# Altium PCB PCB.PcbDoc (continued)
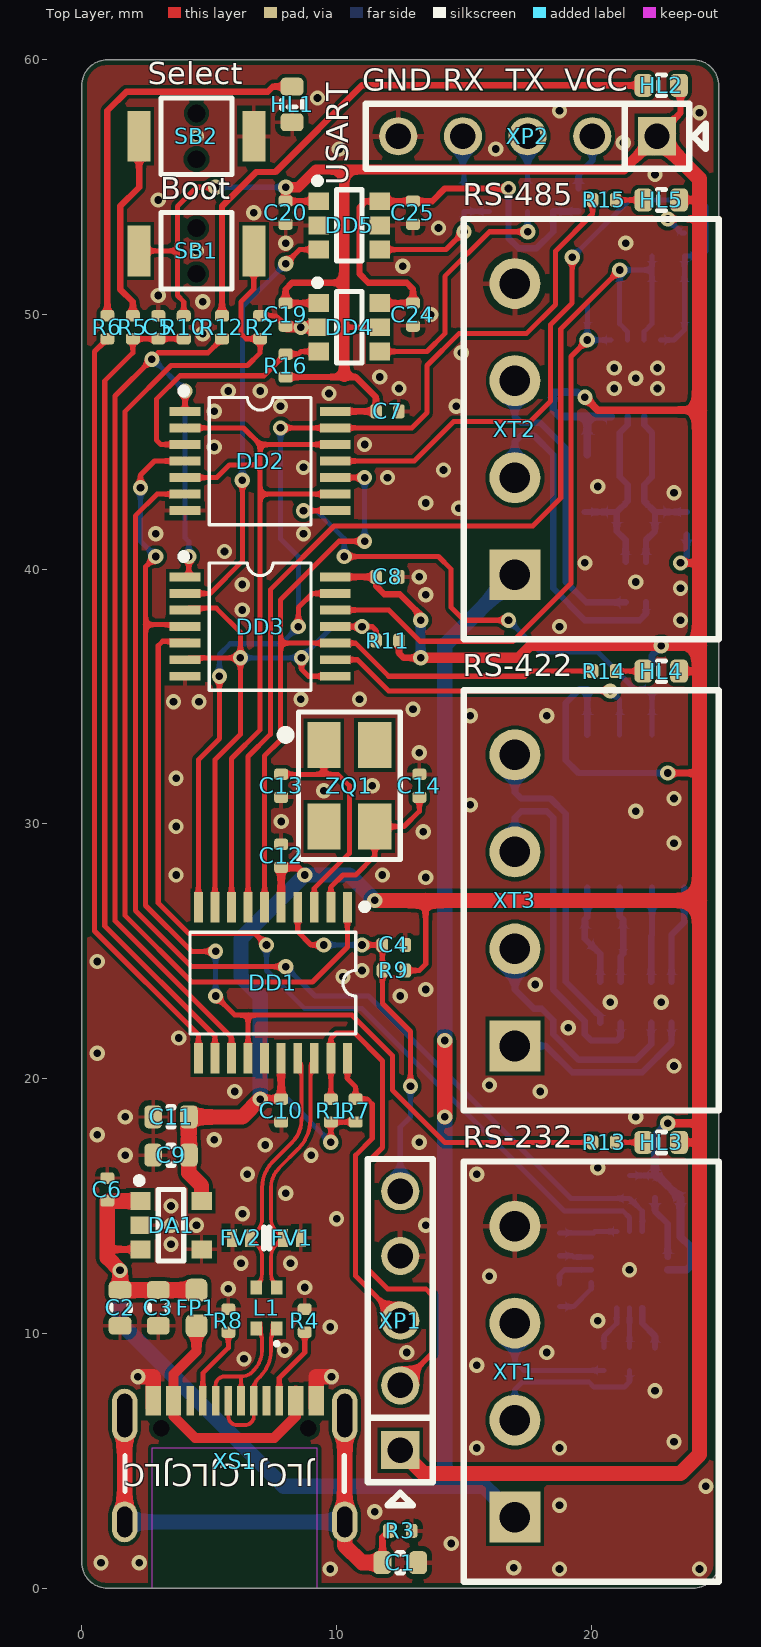
[diagram p0: Top Layer view]
## Footprints (in the part's own frame and the unit in brackets; to place one, negate y for a bottom-side part, rotate by r counter-clockwise, add the part's x,y. Pads: shape width x height; smd on the part's side, far side on the other; paste and mask are expansions set on the pad) (continued)
  silkscreen extent -0.4,0.9 0.4,0.9, body extent -0.3,-0.5 0.3,0.5, height 0.5

## Part data
C1: library part GRM188R72A104KA35D, Dielectric Type=X7R, LCSC Part=C113803, Manufacturer=Murata, Schematic Value="0.1uF, 100V", Tolerance=±10%, Voltage=100V, Working Temperature Max=+125°С, Working Temperature Min=-55°С, Application Category=1, Functional Analog=GRM188R72A104KA35J, ID=232, Part Number=GRM188R72A104KA35D, Published=18.05.2010, Publisher="Andrew Danich", Type=Конденсатор
C2 C3 C9 C11: library part GRM188R61A226ME15D, Dielectric Type=X5R, Manufacturer=Murata, Schematic Value="22uF, 10V", Tolerance=±20%, Voltage=10V, Working Temperature Max=+85°С, Working Temperature Min=-55°С, Application Category=1, Functional Analog=GRM188R61A226ME15J, ID=256, Part Number=GRM188R61A226ME15D, Published=18.05.2010, Publisher="Andrew Danich", Type=Конденсатор
C4 C5 C15 C16 C17 C18 C19 C20 C24 C25: library part GCM155R71C104KA55D, Dielectric Type=X7R, Manufacturer=Murata, Schematic Value="0.1uF, 16V", Tolerance=±10%, Voltage=16V, Working Temperature Max=+125°С, Working Temperature Min=-55°С, Application Category=1, Functional Analog="GRM155R71C104KA88D, GCM155R71C104KA55J, GCM155R71C104KA55W", ID=163, Part Number=GCM155R71C104KA55D, Published=18.05.2010, Publisher="Andrew Danich", Type=Конденсатор
C6: library part GRM155R61A475MEAAD, Dielectric Type=X5R, Manufacturer=Murata, Schematic Value="4.7uF, 10V", Tolerance=±20%, Voltage=10V, Working Temperature Max=+85°С, Working Temperature Min=-55°С, Application Category=1, Functional Analog=GRM155R61A475MEAAJ, ID=255, Part Number=GRM155R61A475MEAAD, Published=18.05.2010, Publisher="Andrew Danich", Type=Конденсатор
C7 C8 C10 C12 C21 C22 C23 C26: library part GRM155C71A105KE11D, Dielectric Type=X7S, Manufacturer=Murata, Schematic Value="1uF, 10V", Tolerance=±10%, Voltage=10V, Working Temperature Max=+125°С, Working Temperature Min=-55°С, Application Category=1, Functional Analog=GRM155C71A105KE11J, ID=179, Part Number=GRM155C71A105KE11D, Published=18.05.2010, Publisher="Andrew Danich", Type=Конденсатор
C13 C14: library part GRM1555C1H120JA01D, Dielectric Type=NP0, Manufacturer=Murata, Schematic Value="12pF, 50V", Tolerance=±5%, Voltage=50V, Working Temperature Max=+125°С, Working Temperature Min=-55°С, Application Category=1, Functional Analog="GJM1555C1H120GB01D, GRM1555C1H120JA01J, GRM1555C1H120JA01W", ID=159, Part Number=GRM1555C1H120JA01D, Published=18.05.2010, Publisher="Andrew Danich", Type=Конденсатор
DA1: library part TLV70233DBVR, Input Voltage=+3.55…5.5V, LCSC Part=C26833, Manufacturer="Texas Instruments", Output Current=300mA, Output Voltage=+3.3V, Working Temperature Max=+125°С, Working Temperature Min=-40°С, Application Category=1, Functional Analog=TLV70233DBVT, ID=47, Part Number=TLV70233DBVR, Published=23.05.2020, Publisher="Andrew Danich", Schematic Value=TLV70233DBVR, Type=Микросхема
DD1: library part STM32F070F6P6, Manufacturer=STMicroelectronics, Operation Frequency=48MHz, Working Temperature Max=+85°С, Working Temperature Min=-40°С, Application Category=1, Flash=32K, I/O Lines=15, ID=22, Part Number=STM32F070F6P6, Prog Interface=SWD, Published=02.02.2017, Publisher="Andrew Danich", Schematic Value=STM32F070F6P6, SRAM=6K, Supply Operation=+2.4…3.6V, Type=Микросхема
DD2 DD3: library part SN74LVC125APWR, LCSC Part=C7813, Manufacturer="Texas Instruments", Output Current=24mA, Supply Current=20uA, Working Temperature Max=+125°С, Working Temperature Min=-40°С, Application Category=1, Elements=4, Functional Analog=SN74LVC125APWT, ID=31, Part Number=SN74LVC125APWR, Propagation Delay=4.8nS, Published=13.08.2022, Publisher="Andrew Danich", Schematic Value=SN74LVC125APWR, Series Type="4-Bit Bus Buffer Gate With 3-State Outputs", Supply Operation=+1.65…3.6V, Type=Микросхема
DD4 DD5: library part SN74AVC1T45DBVR, LCSC Part=C131978, Manufacturer="Texas Instruments", Supply Current=10uA, Working Temperature Max=+85°С, Working Temperature Min=-40°С, Application Category=1, Channels=1, Directional=Bidirection, Functional Analog=SN74AVC1T45DBVT, ID=5, Max Data Rate=500Mbps, Part Number=SN74AVC1T45DBVR, Published=26.03.2016, Publisher="Andrew Danich", Schematic Value=SN74AVC1T45DBVR, Supply 1 Operation=+1.4…3.6V, Supply 2 Operation=+1.4…3.6V, Type=Микросхема
DD6: library part ADM3101EACPZ, Manufacturer="Analog Devices", Supply Current=2.6mA, Working Temperature Max=+85°C, Working Temperature Min=-40°C, Application Category=1, EEPROM=-, ID=6, Input Interface=UART, Interface Levels=+2.0/3.3/5V, Interface Speed=460kb/s, Part Number=ADM3101EACPZ, Published=07.05.2016, Publisher="Andrew Danich", Rx-Tx Buffer Size=-, Schematic Value=ADM3101EACPZ, Supply Operation=+3…5.5V, Type=Микросхема
DD7: Driver Input Voltage=-9.0…+14.0V, Manufacturer=3PEAK, Supply Current=300mA, Working Temperature Max=+125°С, Working Temperature Min=-40°С, Application Category=1, Driver Output Voltage=-9.0…+14.0V, Functional Analog=SIT3088ETK, ID=5, Max Data Rate=10Mbps, Part Number=TP75176E-FR, Published=03.08.2020, Publisher="Andrew Danich", Schematic Value=TP75176E-FR, Supply Operation=+3.0…5.5V, Type=Микросхема
DD8 DDX7: library part ADM3077EARZ, Driver Input Voltage=-8…+13V, Manufacturer="Analog Devices", Supply Current=1.5mA, Working Temperature Max=+85°С, Working Temperature Min=-40°С, Application Category=1, Driver Output Voltage=-8…+13V, Functional Analog=ADM3077EYRZ, ID=1, Max Data Rate=16Mbps, Part Number=ADM3077EARZ, Published=05.09.2015, Publisher="Andrew Danich", Schematic Value=ADM3077EARZ, Supply Operation=+4.5…5.5V, Type=Микросхема
FP1: library part 0603L100SLYR, Current Rating Max=50A, Hold Current=1A, Limit Voltage=6V, Manufacturer=Littelfuse, Resistance=0.12ohm, Trip Current=1.8A, Working Temperature Max=+85°С, Working Temperature Min=-40°С, Application Category=1, ID=13, Part Number=0603L100SLYR, Published=25.0.2017, Type="Предохранитель самовосстанавливающийся"
FV1 FV2: library part PESDUC2FD5VU, Breakdown Voltage=7.0V, Forward Voltage=1.25V, Junction Capacitance=0.65pF, LCSC Part=C496534, Manufacturer="Shanghai Prisemi Elec", Pulse Power Dissipation=100W, Reverse Stand Off Voltage=5.0V, Working Temperature Max=+125°С, Working Temperature Min=-55°С, Application Category=1, Directional=Unidirectional, ID=49, Part Number=PESDUC2FD5VU, Published=27.07.2015, Publisher="Andrew Danich", Schematic Value=PESDUC2FD5VU, Type=Супрессор
HL1: library part NCD0603G1, Color=Green, Forward Current=20mA, Forward Voltage=3.0V, LCSC Part=C84267, Manufacturer="Foshan NationStar Optoelectronics", Power Dissipation=72mW, Working Temperature Max=+85°С, Working Temperature Min=-30°С, Application Category=1, ID=45, Leds=1, Luminous Flux=650, Part Number=NCD0603G1, Published=03.12.2013, Publisher="Andrew Danich", Type="Индикатор единичный"
HL2 HL3 HL4 HL5: library part NCD0603W1, Color=White, Forward Current=20mA, Forward Voltage=2.8V, LCSC Part=C84265, Manufacturer="Foshan NationStar Optoelectronics", Power Dissipation=72mW, Working Temperature Max=+85°С, Working Temperature Min=-30°С, Application Category=1, ID=44, Leds=1, Luminous Flux=250, Part Number=NCD0603W1, Published=03.12.2013, Publisher="Andrew Danich", Type="Индикатор единичный"
L1: library part DLW21HN121SQ2L, DC Resistance=0.45ohm, Insulation Resistance=10meg, Manufacturer=Murata, Rated Current=280mA, Rated Voltage=50V, Schematic Value=", 280mA", Withstand Voltage=125V, Working Temperature Max=+85°С, Working Temperature Min=-40°С, Application Category=1, Common Mode Impedance at 100MHz=120ohm, Functional Analog=DLW21HN121SQ2B, ID=6, Part Number=DLW21HN121SQ2L, Published=04.09.2015, Publisher="Andrew Danich", Type=Дроссель
L2 L3 L4: library part DLW21HN121SQ2L, DC Resistance=0.45ohm, Insulation Resistance=10meg, LCSC Part=C113040, Manufacturer=Murata, Rated Current=280mA, Rated Voltage=50V, Schematic Value=", 280mA", Withstand Voltage=125V, Working Temperature Max=+85°С, Working Temperature Min=-40°С, Application Category=1, Common Mode Impedance at 100MHz=120ohm, Functional Analog=DLW21HN121SQ2B, ID=6, Part Number=DLW21HN121SQ2L, Published=04.09.2015, Publisher="Andrew Danich", Type=Дроссель
R1 R2 R7 R9 R10 R11 R16 R17 R18 R19 R20 R23: library part RC0402JR-0710KL, LCSC Part=C25744, Limit Voltage=50V, Manufacturer=Yageo, Schematic Value="10k ±5%", Temperature Coefficient=100ppm, Tolerance=±5%, Total Power Dissipation=0.1W, Working Temperature Max=+155°С, Working Temperature Min=-55°С, Application Category=1, ID=476, Part Number=RC0402JR-0710KL, Published=24.03.2010, Publisher="Andrew Danich", Series Type=Thick-Film, Type=Резистор
R3: library part RC0402JR-07100KL, LCSC Part=C25741, Limit Voltage=50V, Manufacturer=Yageo, Schematic Value="100k ±5%", Temperature Coefficient=100ppm, Tolerance=±5%, Total Power Dissipation=0.1W, Working Temperature Max=+155°С, Working Temperature Min=-55°С, Application Category=1, ID=351, Part Number=RC0402JR-07100KL, Published=24.03.2010, Publisher="Andrew Danich", Series Type=Thick-Film, Type=Резистор
R4 R8: library part RC0402FR-075K1L, Limit Voltage=50V, Manufacturer=Yageo, Schematic Value="5.1k ±1%", Temperature Coefficient=100ppm, Tolerance=±1%, Total Power Dissipation=0.1W, Working Temperature Max=+155°С, Working Temperature Min=-55°С, Application Category=1, ID=496, Part Number=RC0402FR-075K1L, Published=24.03.2010, Publisher="Andrew Danich", Series Type=Thick-Film, Type=Резистор
R5: library part RC0402JR-0720RL, Limit Voltage=50V, Manufacturer=Yageo, Schematic Value="20 ±5%", Temperature Coefficient=100ppm, Tolerance=±5%, Total Power Dissipation=0.1W, Working Temperature Max=+155°С, Working Temperature Min=-55°С, Application Category=1, ID=369, Part Number=RC0402JR-0720RL, Published=24.03.2010, Publisher="Andrew Danich", Series Type=Thick-Film, Type=Резистор
R6 R12 R13 R14 R15: library part RC0402JR-07330RL, Limit Voltage=50V, Manufacturer=Yageo, Schematic Value="330 ±5%", Temperature Coefficient=100ppm, Tolerance=±5%, Total Power Dissipation=0.1W, Working Temperature Max=+155°С, Working Temperature Min=-55°С, Application Category=1, ID=478, Part Number=RC0402JR-07330RL, Published=24.03.2010, Publisher="Andrew Danich", Series Type=Thick-Film, Type=Резистор
R21 R22: library part RC0603JR-07120R, Limit Voltage=50V, Manufacturer=Yageo, Schematic Value="120 ±5%", Temperature Coefficient=100ppm, Tolerance=±5%, Total Power Dissipation=0.1W, Working Temperature Max=+155°С, Working Temperature Min=-55°С, Application Category=1, ID=444, Part Number=RC0603JR-07120R, Published=24.03.2010, Publisher="Andrew Danich", Series Type=Thick-Film, Type=Резистор
R24 R25: library part RC0402FR-071K5L, Limit Voltage=50V, Manufacturer=Yageo, Schematic Value="1.5k ±1%", Temperature Coefficient=100ppm, Tolerance=±1%, Total Power Dissipation=0.1W, Working Temperature Max=+155°С, Working Temperature Min=-55°С, Application Category=1, ID=617, Part Number=RC0402FR-071K5L, Published=24.03.2010, Publisher="Andrew Danich", Series Type=Thick-Film, Type=Резистор
R26 R27: library part RC0402JR-0722RL, Limit Voltage=50V, Manufacturer=Yageo, Schematic Value="22 ±5%", Temperature Coefficient=100ppm, Tolerance=±5%, Total Power Dissipation=0.1W, Working Temperature Max=+155°С, Working Temperature Min=-55°С, Application Category=1, ID=630, Part Number=RC0402JR-0722RL, Published=24.03.2010, Publisher="Andrew Danich", Series Type=Thick-Film, Type=Резистор
R28 R29: library part RC0402JR-070RL, LCSC Part=C17168, Limit Voltage=50V, Manufacturer=Yageo, Schematic Value="0 ±5%", Temperature Coefficient=100ppm, Tolerance=±5%, Total Power Dissipation=0.1W, Working Temperature Max=+155°С, Working Temperature Min=-55°С, Application Category=1, ID=362, Part Number=RC0402JR-070RL, Published=24.03.2010, Publisher="Andrew Danich", Series Type=Thick-Film, Type=Резистор
R30: library part RC0402JR-071R5L, Limit Voltage=50V, Manufacturer=Yageo, Schematic Value="1.5 ±5%", Temperature Coefficient=100ppm, Tolerance=±5%, Total Power Dissipation=0.1W, Working Temperature Max=+155°С, Working Temperature Min=-55°С, Application Category=1, ID=363, Part Number=RC0402JR-071R5L, Published=24.03.2010, Publisher="Andrew Danich", Series Type=Thick-Film, Type=Резистор
SB1 SB2: library part IT-1185AP, Isolator Resistance=100meg, Limit Current=50mA, Resistance=0.1ohm, Application Category=1, Backlight=NO, Height=5mm, ID=36, Number of Contacts=2, Part Number=IT-1185AP, Published=17.04.2014, Publisher="Andrew Danich", Schematic Value=IT-1185AP, Type=Переключатель
XP1 XP2: library part PLS-5, Limit Current=3A, Limit Voltage=250V, Resistance=15momh, Application Category=1, Connector Type=Male, ID=4, Part Number=PLS-5, Pins=5, Pitch=2.54mm, Published=07.03.2013, Publisher="Andrew Danich", Schematic Value=PLS-5, Surface Finish=Gold, Type=Вилка
XS1: library part U262-161N-4BVC11, Limit Current=3A, Limit Voltage=30V, Manufacturer="XKB Enterprise", Working Temperature Max=+85°С, Working Temperature Min=-40°С, Application Category=1, Connector Type=Female, Functional Analog=C167321, ID=41, Interface="USB 3.1 Type C", Max Data Rate="5 Gbps", Mount Type=Surface, Part Number=U262-161N-4BVC11, Pins=16, Published=17.09.2018, Publisher="Andrew Danich", Type=Розетка
XT1 XT2 XT3: library part ECH381R-04P, Limit Current=8A, Limit Voltage=300V, Manufacturer="Dinkle Enterprise", Application Category=1, ID=19, Part Number=ECH381R-04P, Pins=4, Pitch=3.81mm, Published=27.07.2015, Publisher="Andrew Danich", Schematic Value=ECH381R-04P, Surface Finish="Brass, tin-plated", Type="Клеммный соединитель"
ZQ1: library part "KX-9A 8.0 MHz 30/50/100 16 pF", Load Capacitance=16pF, Manufacturer=Geyer, Output Frequency=8MHz, Schematic Value="8MHz ±50ppm", Shunt Capacitance=5pF, Temperature Coefficient=±50ppm, Working Temperature Max=+70°С, Working Temperature Min=-20°С, Application Category=1, ID=12, Part Number="KX-9A 8.0 MHz 30/50/100 16 pF", Published=08.03.2013, Publisher="Andrew Danich", Type=Резонатор

## Via types
v1: diameter 0.6, hole 0.3, Top Layer to Bottom Layer, tented both sides, 188 vias

## Nets (pads, with @x,y where several pads share a name; then routed paths per layer and width w, separated by ;. In a path a pad name is that pad's centre, name@x,y a point inside that pad or via, vN(x,y) a via of type N, cw(c..) or ccw(c..) an arc to the next point about the centre after c; other vN are vias at no path point)
BOOT0: DD1.1 R2.2 SB1.2 | length 42.8
  Top Layer w0.2: SB1.2 6.75,51 6.25,50.5 6.25,49.25 6.45,49.05 R2.2 7,48.5 6.5,48 3.5,48 1.7,46.2 1.7,26.4 4.3,23.8 9.05,23.8 10.425,25.175 DD1.1
GND: C1.1 C2.2 C3.2 C4.2 C5.2 C6.1 C7.2 C8.2 C9.1 C10.2 C11.1 C12.2 C13.1 C14.1 C18.2 C19.2 C20.2 C21.2 C22.2 C23.2 C24.2 C25.2 C26.2 DA1.2 DA1.4 DD1.15 DD2.7 DD3.7 DD4.2 DD5.2 DD5.5 DD6.6 DD6.TP DD7.5 DD7.TP DD8.4 FV1.2 FV2.2 HL1.2 R2.1 R3.1 R4.1 R8.1 R19.1 R25.2 SB2.1 XP1.4 XP2.5 XS1.A1 XS1.A12 XS1.B1 XS1.B12 XT1.4 XT2.4 | length 6.1
  Top Layer w0.2: R2.1 7.6,49.95 C19.2
  Top Layer w0.4: C19.2 8.05,49.5 DD4.2
  Top Layer w0.6: v1(2.2,8.3) 2.8,8.3 2.8,7.1 ; XS1.A12@9.2,7.1 9.2,8.3 v1(9.8,8.3)
  other v1: 9.75,0.75 18.75,0.75 24.25,0.75 16.951,0.805 0.75,1 2.25,1 14.5,1.75 11.5,3 18.75,3.25 24.5,4 15.5,5.5 18.75,5.5 23.25,5.75 22.5,7.75 15.5,8.75 6.363,9 12.75,9.25 18.25,9.25 7.968,9.345 9.75,10.25 20.25,10.5 5.75,11.75 8.75,11.8 16,12.25 21.5,12.5 6.25,12.75 8.193,12.75 3.5,13.5 3.5,14.25 4.5,14.25 13.5,14.25 10,14.5 6.307,14.7 3.5,15 8,15.5 6.5,16.25 15.5,16.25 20.25,16.5 1.7,17 9,17 7.2,17.4 13.25,17.5 5.2,17.6 0.6,17.8 1.7,18.5 21.75,18.5 6,19.5 18,19.5 16,19.75 23.25,20.5 0.6,21 3.8,21.6 19.1,22 20.75,23 22.75,23 12.5,23.25 13.5,23.5 17.8,23.7 10.25,24 11,24.25 0.6,24.6 13.5,27.9 3.7,28 11.8,28 23.25,29.25 13.4,29.7 3.7,29.9 7.825,30.1 21.75,30.5 15.25,30.75 23.25,31 9.5,31.3 11.4,31.5 3.7,31.8 13.25,32.8 15.25,34.25 18.25,34.25 13,34.5 3.6,34.8 4.6,34.8 8.6,34.9 10.9,34.9 18.75,37.75 23.5,38 6.3,38.4 13.5,39 23.5,39.25 6.3,39.4 21.75,39.5 13.25,39.7 19.75,40.25 5.6,40.7 2.9,41.4 8.7,41.4 14.8,42.4 13.5,42.6 23.25,43 20.25,43.25 12,43.6 14.2,43.9 8.7,44 5.2,44.8 11.1,44.9 5.2,46.2 7.8,46.4 14.7,46.4 9.7,46.9 5.75,47 7,47 12.45,47.1 20.9,47.1 22.6,47.1 21.75,47.5 11.7,47.55 20.9,47.9 22.6,47.9 14.9,48.5 4.75,49.25 8.6,49.5 13.7,50 4.75,50.5 3,50.75 12.6,51.9 4.5,52.5 8,52.8 21.348,52.807 14,53.4 6.75,54 3,54.5 22.5,55.5 10.1,56.5 16.25,56.5 21.25,56.75 4.5,57 24.25,57.92 18.75,58 9.25,58.5
INT_EN_RS232: DD1.14 DD2.4 DD3.4 R13.2 | length 45.9
  Top Layer w0.2: v1(2.3,43.2) 2.3,43.7 2.85,44.25 DD2.4 ; v1(2.9,40.5) 2.5,40.1 2.5,37.825 ; DD3.4@4.2,37.825 2.5,37.825 ; v1(5.25,23.25) 6,22.5 6.525,22.5 ; v1(5.25,25) 4.3,25 2.5,26.8 2.5,37.825 ; DD1.14 6.525,22.5 ; R13.2 14.25,17.5 12.2,19.55 12.2,20.9 10.6,22.5 6.525,22.5
  Bottom Layer w0.2: v1(2.3,43.2) 2.3,41.1 v1(2.9,40.5) ; v1(5.25,23.25) v1(5.25,25)
INT_EN_RS422: DD1.6 DD2.10 DD3.10 R14.2 | length 33.1
  Top Layer w0.2: DD1.6 7.175,32.675 7.8,33.3 7.8,37.1 ; DD2.10 v1(11.1,43.6) ; v1(11.1,41.1) 10.1,41.1 7.8,38.8 7.8,37.1 ; R14.2 17.6,36 17.4,35.8 12.05,35.8 10.75,37.1 DD3.10 7.8,37.1
  Bottom Layer w0.2: v1(11.1,41.1) v1(11.1,43.6)
INT_EN_RS485: DD1.10 DD2.13 DD3.13 R15.2 | length 42.9
  Top Layer w0.2: DD1.10 4.575,32.525 5.4,33.35 v1(5.4,35.8) ; v1(7.8,45.55) DD2.13 12.95,45.55 13.55,46.15 13.55,48 14.8,49.25 17.45,49.25 18.6,50.4 18.6,52.5 20.05,53.95 R15.2 ; v1(8.5,37.75) 8.5,38.5 9.05,39.05 DD3.13
  Bottom Layer w0.2: v1(5.4,35.8) 5.4,36.65 5.825,37.075 7.825,37.075 v1(8.5,37.75) 8.5,40.5 7.8,41.2 v1(7.8,45.55)
INT_EN_USART: DD1.13 DD2.1 DD3.1 R12.2 | length 42.9
  Top Layer w0.2: DD2.1 v1(4.05,47) ; DD3.1@4.2,39.775 v1(4.2,40.5) ; R12.2 4.95,48.5 3,48.5 v1(2.75,48.25) 1.3,46.8 1.3,26.2 5.875,21.625 DD1.13
  Bottom Layer w0.2: v1(2.75,48.25) 2.8,48.25 v1(4.05,47) 4.05,41.236 4.2,41.086 v1(4.2,40.5)
NetC15_1: C15.1 DD6.1 | length 2.3
  Bottom Layer w0.2: C15.1 20.1,13.95 20.15,14 DD6.1
NetC15_2: C15.2 DD6.12 | length 1.3
  Bottom Layer w0.2: C15.2 19.25,13.05 19.3,13 DD6.12
NetC16_1: C16.1 DD6.11 | length 1.7
  Bottom Layer w0.2: C16.1 18.75,12.3 18.95,12.5 DD6.11
NetC16_2: C16.2 DD6.10 | length 1.8
  Bottom Layer w0.2: C16.2 19.3,11.05 20,11.75 DD6.10
NetC17_2: C17.2 DD6.4 | length 2.5
  Bottom Layer w0.25: C17.2 22.5,14.8 23,14.3 DD6.4
NetC18_1: C18.1 DD6.7 | length 1.8
  Bottom Layer w0.25: DD6.7 22,10.4 22.5,9.9 C18.1
NetDD4_4: DD4.4 R26.2 | length 9.9
  Top Layer w0.2: DD4.4 13.55,48.55 14.25,49.25 14.25,51.5 16,53.25 v1(17.5,53.25)
  Bottom Layer w0.2: v1(17.5,53.25) R26.2
NetDD5_4: DD5.4 R23.1 R27.2 | length 5.4
  Top Layer w0.2: DD5.4 14.3,52.55 v1(15,53.25)
  Bottom Layer w0.2: v1(15,53.25) R27.2 R23.1
NetDD6_8: DD6.8 R28.2 | length 2.3
  Bottom Layer w0.2: R28.2 DD6.8 21.5,10.25
NetDD6_9: DD6.9 R29.2 | length 1.8
  Bottom Layer w0.2: R29.2 20.5,9.9 21,10.4 DD6.9
NetDD7_6: DD7.6 DDX7.6 L2.1 R21.2 R24.2 | length 7.5
  Bottom Layer w0.25: DD7.6 22.075,45.675 22.385,45.365 DDX7.6 22.385,43.635 22.075,43.325 22.075,42.675 R21.2 ; L2.1 22.15,41.15 22.5,41.5 R21.2 ; R24.2 R21.2
NetDD7_7: DD7.7 DDX7.7 L2.4 R21.1 R25.1 | length 7.5
  Bottom Layer w0.25: R25.1 R21.1 ; L2.4 21.35,41.15 21,41.5 R21.1 ; DD7.7 21.425,45.675 21.115,45.365 DDX7.7 21.115,43.635 21.425,43.325 21.425,42.675 R21.1
NetDD8_5: DD8.5 L4.1 | length 3.9
  Bottom Layer w0.25: L4.1 23.15,25.65 23.655,26.155 DD8.5
NetDD8_6: DD8.6 L4.4 | length 3.7
  Bottom Layer w0.25: L4.4 22.35,25.6 22.385,25.635 DD8.6
NetDD8_7: DD8.7 L3.1 R22.1 | length 3.8
  Bottom Layer w0.25: DD8.7 21.115,26.385 21.25,26.25 R22.1 21.25,24.9 21.15,24.8 L3.1
NetDD8_8: DD8.8 L3.4 R22.2 | length 4
  Bottom Layer w0.25: DD8.8 19.845,26.345 19.75,26.25 R22.2 20.35,24.9 L3.4
NetFP1_1: FP1.1 XS1.A4 XS1.A9 XS1.B4 XS1.B9 | length 10.4
  Top Layer w0.4: FP1.1 4.5,9.3 3.6,8.4 3.6,6.744 4.444,5.9 7.55,5.9 8.4,6.75 XS1.A9@8.4,7.75
NetHL1_1: HL1.1 R6.2 | length 15.7
  Top Layer w0.25: R6.2 1,58 1.75,58.75 7.3,58.75 7.5,58.95 HL1.1
NetHL2_2: HL2.2 R12.1 | length 22.8
  Top Layer w0.25: R12.1 5.5,54.25 6.85,55.6 7.6,55.6 11,59 HL2.2
NetHL3_2: HL3.2 R13.1 | length 1.1
  Top Layer w0.2: R13.1 HL3.2
NetHL4_2: HL4.2 R14.1 | length 1.1
  Top Layer w0.2: R14.1 HL4.2
NetHL5_2: HL5.2 R15.1 | length 1.1
  Top Layer w0.2: R15.1 HL5.2
NetL2_2: L2.2 XT2.2 | length 13.3
  Bottom Layer w0.25: XT2.2 17,45 17.25,45.25 17.75,45.25 18.5,44.5 18.5,39.25 19.75,38 21.9,38 22.15,38.25 L2.2
NetL2_3: L2.3 XT2.3 | length 11.9
  Bottom Layer w0.25: XT2.3 17,46 17.25,45.75 18,45.75 19,44.75 19,39.5 19.8,38.7 L2.3
NetL3_2: L3.2 XT3.3 | length 14.2
  Bottom Layer w0.25: XT3.3 17,30.25 17.25,30.5 18.25,30.5 18.5,30.25 18.5,23.5 19.75,22.25 19.75,21.75 20,21.5 21,21.5 21.15,21.65 L3.2
NetL3_3: L3.3 XT3.4 | length 12.6
  Bottom Layer w0.25: XT3.4 17,31.25 17.25,31 18.4,31 19,30.4 19,23.8 20.35,22.45 L3.3
NetL4_2: L4.2 XT3.1 | length 7.9
  Bottom Layer w0.25: XT3.1 18.215,21.285 19.25,20.25 22,20.25 23.15,21.4 L4.2
NetL4_3: L4.3 XT3.2 | length 9.5
  Bottom Layer w0.25: XT3.2 17,23.5 17.75,22.75 18.05,22.75 18.5,22.3 18.5,21.75 19.5,20.75 21.75,20.75 22.35,21.35 L4.3
NetR4_2: R4.2 XS1.B5 | length 3.1
  Top Layer w0.2: XS1.B5 7.75,8.25 8.75,9.25 R4.2
NetR5_2: R5.2 SB2.2 | length 7.6
  Top Layer w0.25: R5.2 2,50.5 1.5,51 1.5,54.25 2.25,55 SB2.2
NetR8_2: R8.2 XS1.A5 | length 3.1
  Top Layer w0.2: XS1.A5 4.75,8.438 5.75,9.438 R8.2
NetR26_1: R26.1 XP2.3 | length 2.1
  Bottom Layer w0.2: R26.1 XP2.3
NetR27_1: R27.1 XP2.4 | length 2.1
  Bottom Layer w0.2: XP2.4 14.96,55.79 15,55.75 R27.1
NetR28_1: R28.1 XT1.2 | length 6.4
  Bottom Layer w0.2: XT1.2 17,7.8 17.3,8.1 19.9,8.1 20.1,7.9 21.3,7.9 21.5,8.1 R28.1
NetR29_1: R29.1 XT1.3 | length 5.1
  Bottom Layer w0.2: XT1.3 17,8.9 17.35,8.55 R29.1
NetR30_1: R30.1 XP2.2 | length 2.3
  Bottom Layer w0.25: R30.1 19.5,55.5 20.04,56.04 XP2.2
OSCI: C14.2 DD1.2 ZQ1.3 | length 6.7
  Top Layer w0.2: DD1.2 9.775,27.525 10.25,28 10.75,28 11.5,28.75 ZQ1.3 12.65,29.9 13.25,30.5 C14.2
OSCO: C13.2 DD1.3 ZQ1.1 | length 9.4
  Top Layer w0.2: C13.2 9.5,31.95 ; DD1.3 9.125,27.475 10.5,28.85 10.5,31.5 10.05,31.95 9.5,31.95 ; ZQ1.1 9.5,31.95
RESET_N: C4.1 DD1.4 R9.1 XP1.5 | length 14.8
  Top Layer w0.2: DD1.4 8.475,25.775 9,25.25 v1(9.5,25.25) ; v1(11,25.25) C4.1 R9.1 11.8,22.95 12.9,21.85 v1(12.9,19.7)
  Bottom Layer w0.2: v1(9.5,25.25) v1(11,25.25) ; XP1.5 12.5,18.1 12.9,18.5 v1(12.9,19.7)
SET_INT: C5.1 DD1.12 R5.1 R10.1 | length 32.5
  Top Layer w0.2: R10.1 C5.1 R5.1 2,48.5 0.9,47.4 0.9,26 5.225,21.675 DD1.12
SH: C1.2 R3.2 XS1.SH | length 21
  Top Layer w0.25: C1.2 11.8,2 R3.2
  Top Layer w0.6: XS1.SH@1.68,2.6 XS1.SH@1.68,6.78 ; XS1.SH@10.32,6.78 10.32,2.6 10.32,1.68 11,1 C1.2
  Bottom Layer w0.6: XS1.SH@1.68,2.6 XS1.SH@10.32,2.6
SWCLK: DD1.20 R7.1 XP1.3 | length 12
  Top Layer w0.2: DD1.20 10.425,20 10.75,19.675 R7.1 11.2,19.2 11.4,19 11.4,17.65 10.75,17 10.75,12.25 XP1.3
SWDIO: DD1.19 R1.1 XP1.2 | length 20.3
  Top Layer w0.2: R1.1 DD1.19 9.775,21.575 10,21.8 10.7,21.8 11.8,20.7 11.8,17.3 11.25,16.75 11.25,12.5 12,11.75 13.5,11.75 13.75,11.5 13.75,9.21 XP1.2
TVCC: C24.1 C25.1 C26.1 DD4.6 DD5.6 R23.2 R30.2 | length 19.6
  Top Layer w0.25: DD4.6 C24.1 13,51 12.75,51.25 11.25,51.25 10.9,51.6 10.9,54.2 11.15,54.45 DD5.6 C25.1 13.75,54.45 14.25,54.95 v1(16.75,54.95)
  Bottom Layer w0.25: R23.2 v1(16.75,54.95) 16.75,53 17.15,52.6 17.85,52.6 18.5,53.25 C26.1 R30.2
USART_RTS: DD1.7 DD7.2 DD7.3 DDX7.2 DDX7.3 R19.2 | length 43.2
  Top Layer w0.2: DD1.7 6.525,32.65 7.4,33.525 7.4,39.2 9.9,41.7 17.7,41.7 18.8,42.8 18.8,49.435 v1(21.115,51.75)
  Bottom Layer w0.2: DD7.2 21.425,49.325 21.115,49.635 v1(21.115,51.75) 22.385,51.75 ; DD7.3 22.075,49.325 22.385,49.635 22.385,51.75 ; R19.2 22.385,51.75
USART_RX: DD1.9 DD3.3 DD3.6 DD3.8 DD3.11 R11.1 | length 24.9
  Top Layer w0.2: DD3.6@4.2,36.525 v1(6.225,36.525) ; DD3.3@4.2,38.475 5.275,38.475 6.225,37.525 v1(6.225,36.525) ; DD1.9 5.225,32.525 6.225,33.525 v1(6.225,36.525) ; v1(8.625,36.525) 8.625,36.075 8.9,35.8 DD3.8 ; DD3.11 v1(11,37.75) 11.4,37.75 11.55,37.6 R11.1
  Bottom Layer w0.2: v1(6.225,36.525) v1(8.625,36.525) 9.85,37.75 v1(11,37.75)
USART_RX_RS232: DD3.5 DD6.2 | length 36.1
  Top Layer w0.2: DD3.5@4.2,37.175 3.175,37.175 3,37 3,26.9 4.2,25.7 6.8,25.7 v1(7.25,25.25)
  Bottom Layer w0.2: v1(7.25,25.25) 7.25,24.25 8.75,22.75 11,22.75 18.95,14.8 21.25,14.8 21.5,14.55 DD6.2
USART_RX_RS422: DD3.9 DD8.2 | length 13.2
  Top Layer w0.2: DD3.9 10.825,36.45 12.05,35.225 v1(20.75,35.225)
  Bottom Layer w0.2: v1(20.75,35.225) 21.115,34.885 DD8.2
USART_RX_RS485: DD3.12 DD7.1 DDX7.1 | length 22.9
  Top Layer w0.2: DD3.12 12.05,38.4 13.275,37.175 16.925,37.175 19.2,39.45 19.2,48.355 v1(19.845,49)
  Bottom Layer w0.2: DDX7.1 v1(19.845,49) DD7.1
USART_RX_USART: DD3.2 DD5.3 | length 16.7
  Top Layer w0.2: DD3.2 5.038,39.05 6.3,40.313 v1(6.3,43.5) ; v1(8,52) 8.55,52.55 DD5.3
  Bottom Layer w0.2: v1(6.3,43.5) 6.3,50.3 v1(8,52)
USART_TX: DD1.8 DD2.2 DD2.5 DD2.9 DD2.12 | length 30.9
  Top Layer w0.2: DD2.5 5.3,43.6 5.8,44.1 7,44.1 ; DD2.2 6.35,45.55 7,44.9 ; DD1.8 5.875,32.575 7,33.7 7,42.95 ; DD2.9 7,42.95 ; DD2.12 7,44.9 ; 7,42.95 7,44.1 ; 7,44.1 7,44.9
USART_TX_RS232: DD2.6 DD6.3 R17.1 | length 43.4
  Top Layer w0.2: DD2.6 2.95,42.95 2.1,42.1 2.1,26.6 4.3,24.4 v1(8,24.4)
  Bottom Layer w0.2: v1(8,24.4) 9.15,23.25 11.25,23.25 19.2,15.3 R17.1 22,14.8 DD6.3
USART_TX_RS422: DD2.8 DD8.3 R20.1 | length 20.9
  Top Layer w0.2: v1(8.7,42.3) DD2.8 ; v1(10.3,40.5) 14,40.5 14.5,40 14.5,38.5 15,38 v1(16.75,38)
  Bottom Layer w0.2: v1(8.7,42.3) 9.2,42.3 10.3,41.2 v1(10.3,40.5) ; v1(16.75,38) 18,36.75 20.25,36.75 21.7,35.3 R20.1 DD8.3
USART_TX_RS485: DD2.11 DD7.4 DDX7.4 R18.1 | length 28.4
  Top Layer w0.2: DD2.11 13.05,44.25 14.6,45.8 17.6,45.8 18.4,46.6 18.4,49.6 19.25,50.45 v1(19.25,52.25)
  Bottom Layer w0.2: v1(19.25,52.25) 21.5,54.5 24.25,54.5 24.5,54.25 24.5,52.5 24.3,52.3 R18.1 23.655,49.405 23.25,49 DD7.4
USART_TX_USART: DD2.3 DD4.3 R16.1 | length 9.9
  Top Layer w0.2: DD2.3 3.1,44.9 2.925,45.075 2.925,46.675 3.85,47.6 7.15,47.6 R16.1 8.5,48.45 8.6,48.55 DD4.3
USB_N: DD1.17 FV2.1 L1.3 | length 10
  Top Layer w0.15: L1.3 ccw(c6.307,12.343) 7.075,12.343 7.075,13 ccw(c6.411,13) 6.881,13.469 FV2.1 6.881,14.031 ccw(c6.411,14.5) 7.075,14.5 7.075,15.717 cw(c8.53,15.717) 7.501,16.746 ; 7.499,16.749 8.25,17.5 ccw(c7.345,18.405) 8.625,18.405 8.625,20.438 ccw(c8.113,20.438) DD1.17
USB_P: DD1.18 FV1.1 L1.2 | length 10
  Top Layer w0.15: L1.2 cw(c8.193,12.343) 7.425,12.343 7.425,13 cw(c8.089,13) 7.619,13.469 FV1.1 7.619,14.031 cw(c8.089,14.5) 7.425,14.5 7.425,15.715 cw(c8.535,15.715) 7.75,16.5 7.75,16.505 8.499,17.254 ccw(c7.348,18.404) 8.975,18.404 8.975,20.438 cw(c9.487,20.438) DD1.18
USBD_N: L1.4 XS1.A7 XS1.B7 | length 5.1
  Top Layer w0.15: XS1.B7 5.25,7.96 cw(c5.6,7.96) 5.6,8.31 6.25,8.31 ; XS1.A7 6.25,8.31 ; L1.4 6.916,10.134 cw(c6.532,9.75) 7.075,9.75 7.075,9.345 cw(c5.941,9.345) 6.743,8.543 6.694,8.494 cw(c6.25,8.938) 6.25,8.31
USBD_P: L1.1 XS1.A6 XS1.B6 | length 5.7
  Top Layer w0.15: XS1.A6 5.75,6.75 ccw(c6.1,6.75) 6.1,6.4 6.4,6.4 ccw(c6.4,6.75) 6.75,6.75 XS1.B6 6.75,7.838 cw(c7.262,7.838) 6.9,8.2 6.987,8.287 ccw(c5.929,9.345) 7.425,9.345 7.425,9.75 cw(c7.968,9.75) L1.1@7.584,10.134 ; L1.1@7.584,10.134 L1.1
USER_LED: DD1.11 R6.1 | length 30.1
  Top Layer w0.2: R6.1 0.5,48.55 0.5,25.8 4.575,21.725 DD1.11
VBUS: C2.1 C3.1 C6.2 DA1.1 DA1.3 FP1.2 XT1.1 XT2.1 | length 66.9
  Top Layer w0.25: 1,13.3 DA1.3
  Top Layer w0.6: DA1.1 C6.2 1,13.3 1,12.974 v1(1.5,12.474) C2.1 C3.1 FP1.2 ; v1(14.25,18.5) v1(14.25,21.5)
  Bottom Layer w0.6: v1(1.5,12.474) 1.5,10.421 7.921,4 14.25,4 ; v1(14.25,18.5) 14.25,4 ; v1(14.25,21.5) 14.25,37.035 XT2.1 ; XT1.1 15.785,4 14.25,4
VCC3P3: C7.1 C8.1 C9.2 C10.1 C11.2 C12.1 C17.1 C19.1 C20.1 C21.1 C22.1 C23.1 DA1.5 DD1.5 DD1.16 DD2.14 DD3.14 DD4.1 DD4.5 DD5.1 DD6.5 DD7.8 DD8.1 DDX7.8 HL2.1 HL3.1 HL4.1 HL5.1 R1.2 R7.2 R9.2 R10.2 R11.2 R16.2 R17.2 R18.2 R20.2 R24.1 SB1.1 XP1.1 XP2.1 | length 217.7
  Top Layer w0.2: SB1.1 3.75,52.5 ; R10.2 4,50.5 3.75,50.75 3.75,52.5 ; v1(5.25,55) 4.5,55 3.75,54.25 3.75,52.5 ; v1(9.775,17.5) R1.2 R7.2 ; 10.3,49.5 DD4.5 ; R9.2 13.25,24.25 13.5,24.5 13.5,27 ; v1(23,53.75) 24.25,53.75
  Top Layer w0.25: R16.2 10.3,47.55 10.75,47.55 11.55,46.75 C7.1 DD2.14 ; v1(8,55) C20.1 DD5.1 ; DD4.1 C19.1 8,51 8.25,51.25 10.3,51.25 ; DD3.14 C8.1 11.55,39.35 11.875,39.025 12.475,39.025 13.3,38.2 v1(13.3,38) ; R11.2 12.45,36.7 12.625,36.525 v1(13.3,36.525) ; XP2.1 23.5,57.92 HL2.1@23.5,59 ; v1(23,32) 24.25,32 ; HL3.1@23.5,17.5 24.25,17.5 ; HL4.1@23.5,36 24.25,36 ; v1(23.5,40.25) 24.25,40.25 ; HL5.1@23.5,54.5 24.25,54.5
  Top Layer w0.3: v1(7,19.2) C10.1 DD1.16 ; DD1.5 C12.1 8.45,28.3 v1(8.75,28) ; v1(19.75,46.75) 20.25,46.25 24.25,46.25 ; v1(23,18.25) 24.25,18.25
  Top Layer w0.4: v1(8,55) 8.5,55 9.2,55.7 10.3,55.7 ; 10.3,47.55 10.3,49.5 10.3,51.25 10.3,55.7 ; v1(13.3,36.525) 17.125,36.525 17.6,37 v1(22.75,37) 24.25,37 ; XP2.1 21.28,55.7 10.3,55.7
  Top Layer w0.6: DA1.5 4.7,15.8 4.2,16.3 C9.2 C11.2 6.3,18.5 v1(7,19.2) ; v1(11.5,27) 13.5,27 24.25,27 ; XP1.1 13.42,4.5 23.5,4.5 24.25,5.25 24.25,17.5 24.25,18.25 24.25,27 ; XP2.1 24.25,55.33 24.25,54.5 24.25,53.75 24.25,46.25 24.25,40.25 24.25,37 24.25,36 24.25,32 24.25,27
  Bottom Layer w0.2: v1(5.25,55) v1(8,55) ; v1(7,19.2) 8.075,19.2 v1(9.775,17.5) ; R17.2 C17.1 ; v1(23,53.75) 23.55,53.2 R18.2
  Bottom Layer w0.25: DD8.1 C22.1 19.55,35.3 19,34.75 19,32.5 19.5,32 v1(23,32) ; R20.2 22.385,36.635 v1(22.75,37) ; v1(23.5,40.25) 23.75,40.5 R24.1
  Bottom Layer w0.3: v1(19.75,46.75) 19.455,46.955 C21.1 18.5,46.25 18.75,46 19.845,46 ; DDX7.8 19.845,46 ; DD7.8 19.845,46 ; DD6.5 23.75,12.5 23.9,12.65 23.9,13.4 23.5,13.8 C23.1 22.6,16.2 C17.1 22.5,17.75 v1(23,18.25)
  Bottom Layer w0.4: v1(13.3,36.525) v1(13.3,38)
  Bottom Layer w0.6: v1(7,19.2) 7,23.25 6.25,24 6.25,25.5 v1(8.75,28) 10.5,28 v1(11.5,27)
pads on no net: DDX7.5 SB1.4 SB2.4 XS1.0 XS1.A8 XS1.B8 ZQ1.2 ZQ1.4

## Polygon pours and split planes (outlines as drawn)
GND on Bottom Layer "NONET_L-01_P-001" (solid, remove dead copper, pour order 0): 0,0 25,0 25,60 0,60
GND on Top Layer "NONET_L-01_P-001" (solid, remove dead copper, pour order 1): 0,0 25,0 25,60 0,60

## Silkscreen, mask and mechanical layers (free items; w line width, h text height)
Top Overlay:
  lines w0.25: 12,3.25 13,3.25 12.5,3.75 12,3.25 ; 24,57 24.5,56.5 24.5,57.5 24,57
  text "GND" at 11,58.5 h1.5
  text "RX" at 14.169,58.499 h1.5
  text "TX" at 16.646,58.499 h1.5
  text "VCC" at 18.938,58.499 h1.5
  text "JLCJLCJLCJLC" at 9.095,5.149 h1.5 r180
Bottom Overlay:
  text "'.GlobalProjectName'" at 24,3.101 h1.5
  text "Rev.'.GlobalProjectRevision'" at 24,2.101 h1.5
  text "'.PCB_Week'" at 24,1.101 h1.5
1 - Board Outline:
  the board outline again, w0.2